# KiCad board PDNode_Baseboard.kicad_pcb (continued)
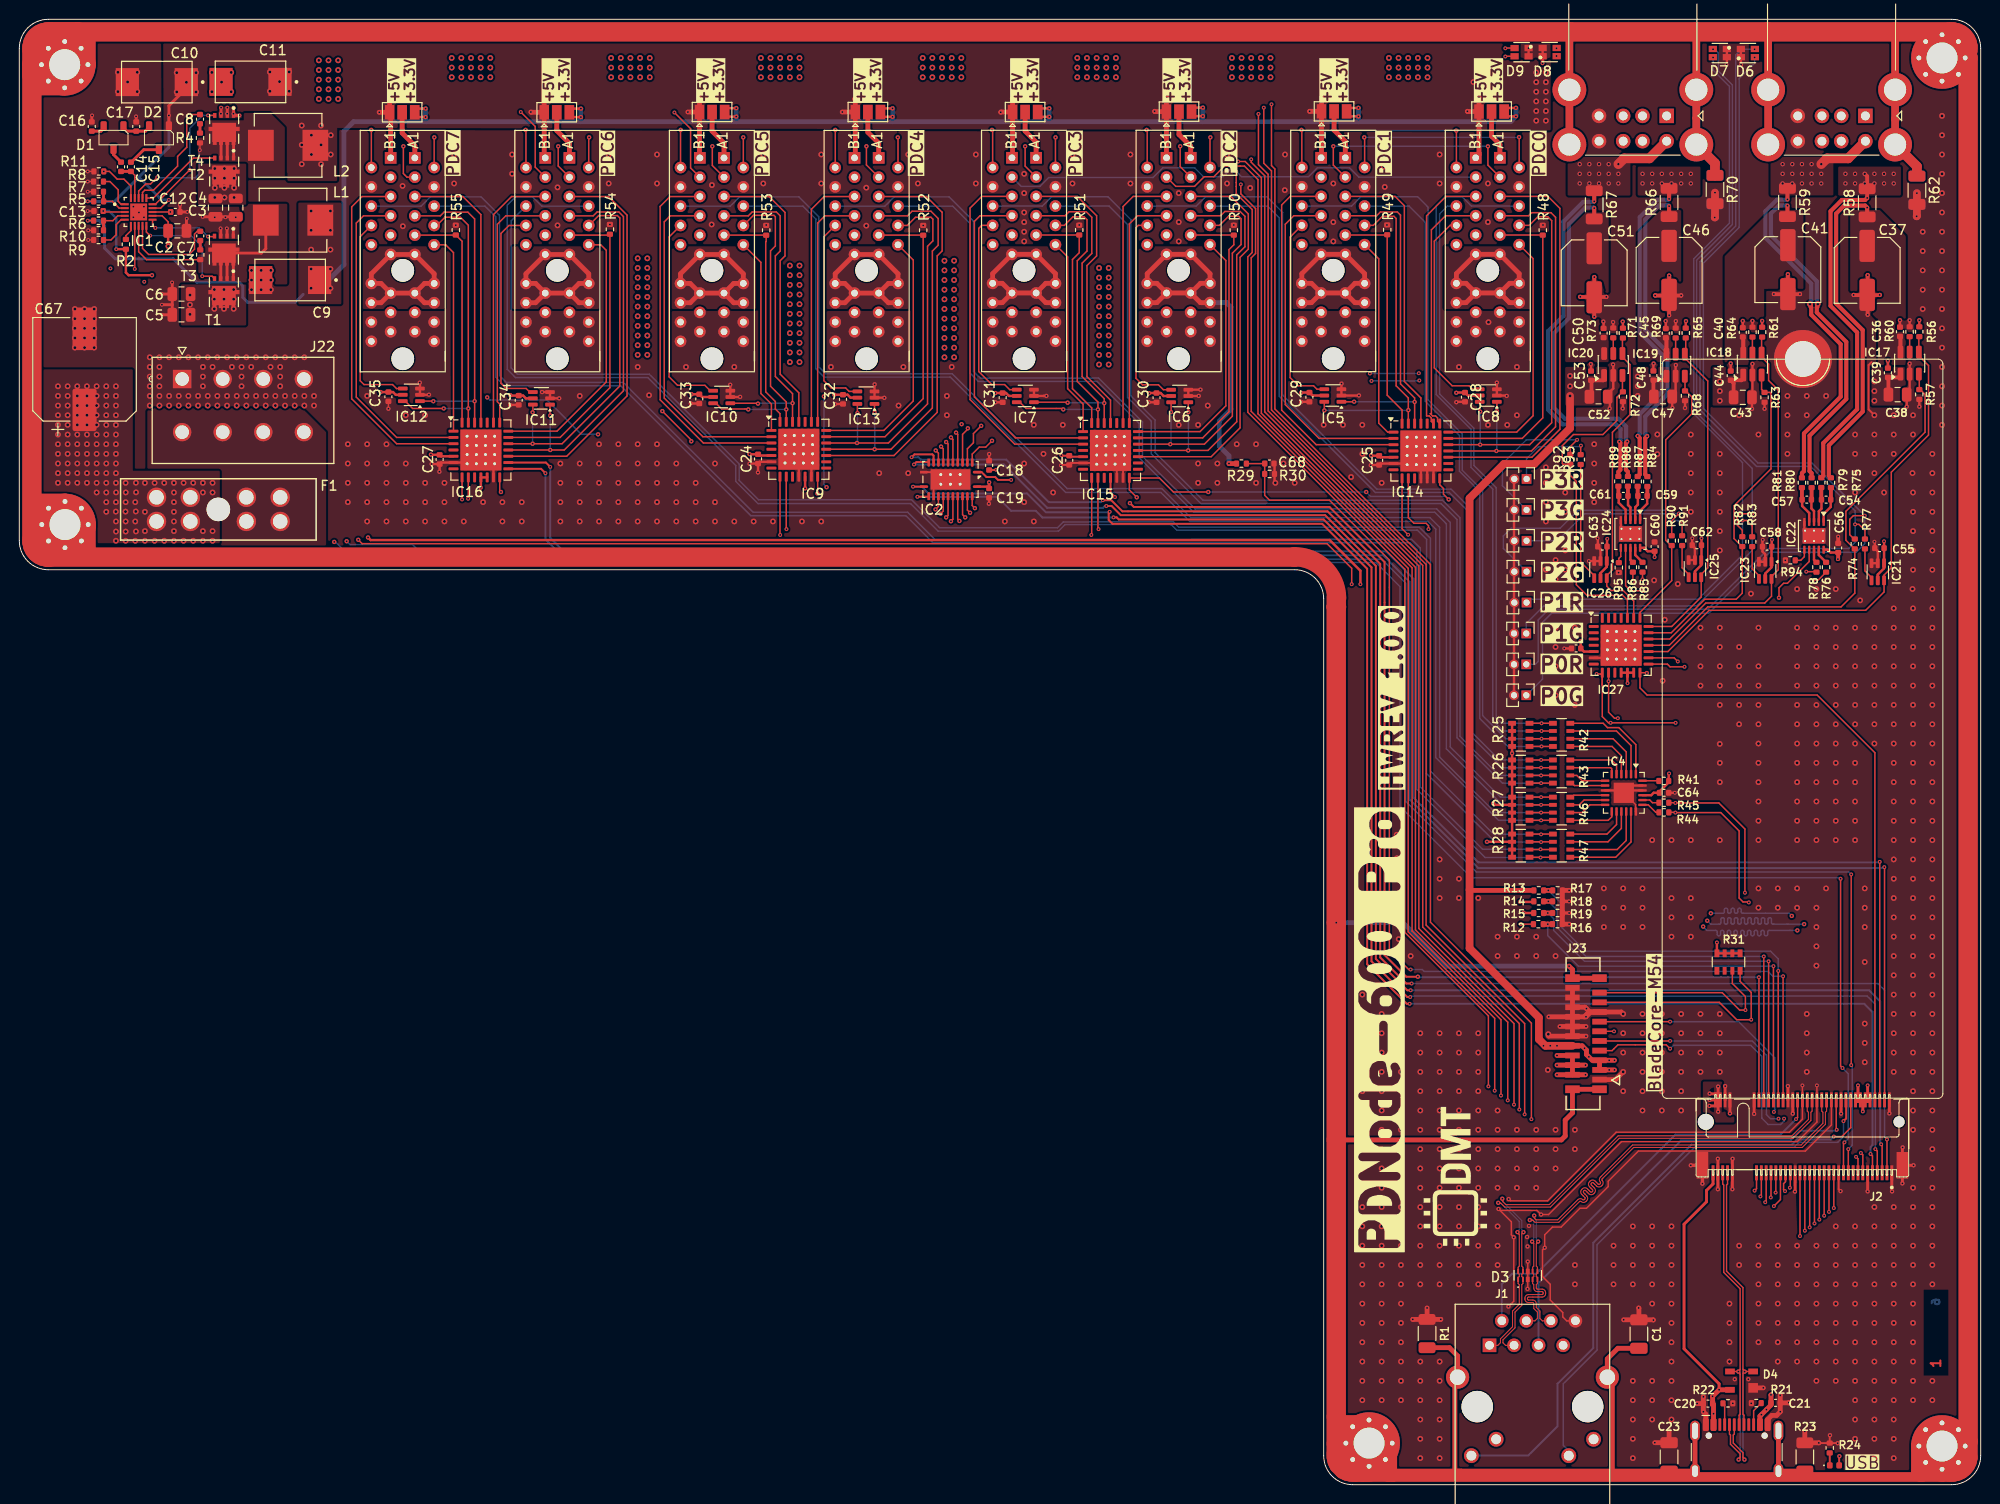
[diagram p0: board, top side]
## Routing (per net, layer and track width the routed paths; a pad name or vN(x,y) marks a point on that pad's centre or on a via; arc(x,y) is an arc through that point) (continued)
  F.Cu (SIG) w0.5: J23.10 v3(162.15,46.45) ; J23.10 158.3,46.45 158.25,46.5 v2(158.25,46.65) ; J23.10 J23.20 ; v1(147.12,17.12) 147.11,17.11 R1.1 ; v1(183.15,8.5) 183.12,8.47 C21.2 ; v3(158.3,48.45) J23.14 161.95,48.45 ; v2(166,42.75) 165.2,41.95 J23.1 ; v1(167.6,18.3) 167.62,18.28 C1.1 ; v1(144.23,17.12) 144.24,17.11 R1.1 ; C1.1 169.1,17.07 v1(169.12,17.05) ; C1.1 v1(166.05,17.07) ; v1(169.27,4.35) C23.2 v1(170.75,5.6) ; J23.15 165.8,48.95 v2(166,48.75) ; J23.15 162.65,48.95 ; J23.15 162.45,48.95 161.95,48.45 ; v3(160.4,61.55) 160.39,61.54 R17.2 159.7,61.53 R16.2 v3(160.4,58.05) ; 162.65,48.95 162.55,48.95 v3(162.2,49.3) 162.05,49.45 J23.16 ; 162.65,48.95 v3(162.15,48.45) 161.95,48.45 ; 174.3,8.4 v1(173.65,8.4) ; 174.3,8.4 174.3,9.09 v1(174.3,9.1) ; 174.3,8.4 v1(174.3,7.56) 174.55,7.3 J3.A1 ; R51.2 v1(109.7,130.45) ; J3.A12 180.95,6.75 181.38,7.18 181.88,7.18 v1(182.25,7.56) C21.2 ; D4.1 v1(180.5,10.03) ; R1.1 v1(145.7,18.3) ; v3(162.15,47.45) J23.12 v3(159.45,47.45) ; C21.2 182.25,9.25 v1(182.25,9.25) ; v1(184.8,5.53) R23.2 186.24,4.34 v1(186.25,4.32) ; R50.2 v1(125.7,130.45)
  F.Cu (SIG) w0.8: v1(196.38,131.35) 196.4,131.38 R62.2 v1(196.4,133.75) ; v1(175.5,133.8) R70.2 175.5,131.25 v1(175.48,131.22)
  B.Cu (SIG) w0.8: v1(175.48,131.22) 175.5,131.25 C49.2 v1(175.5,133.8) ; v1(196.4,133.75) C42.2 196.4,131.38 v1(196.38,131.35)
  vias: v1(45.18,130.44) v1(77.3,130.45) v1(93.55,130.4) v1(141.55,130.45) v1(156.05,25.65) v1(156.1,24.68) v1(156.25,26.8) v1(157.7,130.45) v1(177.35,8.43) v1(177.55,10.93) v1(178.95,10.93) v2(5.75,121.75) v2(5.75,120.75) v2(5.75,119.75) v2(5.75,118.75) v2(5.75,117.75) v2(6.75,121.75) v2(6.75,120.75) v2(6.75,119.75) v2(6.75,118.75) v2(6.75,117.75) v2(7.75,121.75) v2(7.75,120.75) v2(7.75,119.75) v2(7.75,118.75) v2(7.75,117.75) v2(10.21,146.26) v2(10.21,144.26) v2(11.21,145.26) v2(12.21,146.26) v2(12.21,144.26) v2(13.5,116.75) v2(13.5,115.75) v2(13.5,114.75) v2(13.5,113.75) v2(13.5,112.75) v2(13.5,111.75) v2(14.5,116.75) v2(14.5,115.75) v2(14.5,114.75) v2(14.5,113.75) v2(14.5,112.75) v2(14.5,111.75) v2(15.5,116.75) v2(15.5,112.75) v2(15.5,111.75) v2(16.5,116.75) v2(16.5,112.75) v2(16.5,111.75) v2(17.5,116.75) v2(17.5,112.75) v2(17.5,111.75) v2(18.5,116.75) v2(18.5,112.75) v2(18.5,111.75) v2(19,115.75) v2(19,114.75) v2(19,113.75) v2(19.5,116.75) v2(19.5,112.75) v2(19.5,111.75) v2(19.93,146.25) v2(19.93,144.25) v2(20,115.75) v2(20.5,116.75) v2(20.5,112.75) v2(20.5,111.75) v2(20.93,145.25) v2(21.5,116.75) v2(21.5,112.75) v2(21.5,111.75) v2(21.93,146.25) v2(21.93,144.25) v2(22,115.75) v2(22.5,116.75) v2(22.5,112.75) v2(22.5,111.75) v2(23,115.75) v2(23,114.75) v2(23,113.75) v2(23.5,116.75) v2(23.5,112.75) v2(23.5,111.75) v2(24.03,125.75) v2(24.03,124.75) v2(24.03,123.75) v2(24,115.75) v2(24.5,116.75) v2(24.5,112.75) v2(24.5,111.75) v2(25.03,125.75) v2(25.03,124.75) v2(25.03,123.75) v2(25.5,116.75) v2(25.5,112.75) v2(25.5,111.75) v2(26.03,125.75) v2(26.03,124.75) v2(26.03,123.75) v2(26,115.75) v2(26.5,116.75) v2(26.5,112.75) v2(26.5,111.75) v2(27,115.75) v2(27,114.75) v2(27,113.75) v2(27.5,116.75) v2(27.5,112.75) v2(27.5,111.75) v2(28.5,116.75) v2(28.5,112.75) v2(28.5,111.75) v2(29.5,116.75) v2(29.5,112.75) v2(29.5,111.75) v2(30.5,112.75) v2(30.5,111.75) v2(34,107.75) v2(34,105.75) v2(34,103.75) v2(34,101.75) v2(36,112.75) v2(36,107.75) v2(36,105.75) v2(36,103.75) v2(36,101.75) v2(36,99.75) v2(38,107.75) v2(38,105.75) v2(38,103.75) v2(38,101.75) v2(38,99.75) v2(39.66,134.5) v2(39.69,130.32) v2(40,110.75) v2(40,105.75) v2(40,103.75) v2(40,101.75) v2(40,99.75) v2(42,110.75) v2(42,103.75) v2(42,101.75) v2(42,99.75) v2(44,103.75) v2(44,101.75) v2(44,99.75) v2(45,137.75) v2(45,134.75) v2(46,99.75) v2(48,101.75) v2(50,101.75) v2(50,99.75) v2(51,137.75) v2(51,135.75) v2(52,101.75) v2(52,99.75) v2(55.7,134.35) v2(55.7,130.41) v2(56,105.75) v2(56,103.75) v2(56,101.75) v2(56,99.75) v2(58,112.75) v2(58,105.75) v2(58,103.75) v2(58,101.75) v2(58,99.75) v2(60,107.75) v2(60,105.75) v2(60,103.75) v2(60,101.75) v2(60,99.75) v2(61,137.75) v2(61,134.75) v2(62,107.75) v2(62,105.75) v2(62,103.75) v2(62,101.75) v2(62,99.75) v2(64,115.75) v2(64,107.75) v2(64,105.75) v2(64,103.75) v2(64,101.75) v2(64,99.75) v2(65.18,112.82) v2(66,137.75) v2(66,134.75) v2(66,107.75) v2(66,105.75) v2(66,103.75) v2(66,101.75) v2(66,99.75) v2(68,105.75) v2(68,103.75) v2(68,101.75) v2(68,99.75) v2(69,115.75) v2(70,103.75) v2(70,101.75) v2(70,99.75) v2(71.68,134.59) v2(71.65,130.5) v2(72,105.75) v2(72,101.75) v2(72,99.75) v2(74,115.75) v2(74,99.75) v2(76,99.75) v2(77,137.75) v2(77,134.75) v2(78,99.75) v2(81,99.75) v2(83,137.75) v2(83,134.75) v2(83,99.75) v2(84,115.75) v2(87.66,134.32) v2(87.66,130.38) v2(89,104.75) v2(91,111.75) v2(91.5,115.75) v2(92,137.75) v2(92,104.75) v2(93,134.75) v2(96,112.75) v2(96,110.75) v2(96.5,115.75) v2(99,137.75) v2(99,134.75) v2(102,99.75) v2(104,135.75) v2(104,133.75) v2(104,131.75) v2(104,130.75) v2(104,129.75) v2(104,128.75) v2(104,105.75) v2(104,101.75) v2(105,109.75) v2(105,99.75) v2(106,106.75) v2(107,102.75) v2(108,109.75) v2(109,137.75) v2(109,134.75) v2(115,137.75) v2(115,134.75) v2(120,133.75) v2(120,130.75) v2(120,128.75) v2(120,109.75) v2(122,109.75) v2(122,105.75) v2(122,103.75) v2(123,111.75) v2(124,105.75) v2(124,103.75) v2(125,137.75) v2(125,134.75) v2(126,107.75) v2(127.4,134.29) v2(128,107.75) v2(128,103.75) v2(130.84,105.76) v2(130.97,134.06) v2(131,137.75) v2(132,103.75) v2(135,109.75) v2(136,134.75) v2(136,130.75) v2(136,128.75) v2(137,109.75) v2(137.84,104.35) v2(139,109.75) v2(139,106.75) v2(139,50.75) v2(139,48.75) v2(139,46.75) v2(139,44.75) v2(139,42.75) v2(139,40.75) v2(139,38.75) v2(139,36.75) v2(139,34.75) v2(139,32.75) v2(139,30.75) v2(139,28.75) v2(139,26.75) v2(139,24.75) v2(139,22.75) v2(139,20.75) v2(139,18.75) v2(139,16.75) v2(139,14.75) v2(139,12.75) v2(139,10.75) v2(139,8.75) v2(141,103.75) v2(141,48.75) v2(141,46.75) v2(141,44.75) v2(141,42.75) v2(141,40.75) v2(141,38.75) v2(141,36.75) v2(141,34.75) v2(141,32.75) v2(141,30.75) v2(141,28.75) v2(141,26.75) v2(141,24.75) v2(141,22.75) v2(141,20.75) v2(141,18.75) v2(141,16.75) v2(141,14.75) v2(141,12.75) v2(141,10.75) v2(141,8.75) v2(141.21,136.5) v2(141.32,134.39) v2(142.56,67.31) v2(142.59,64.88) v2(142.59,62.74) v2(142.77,56.49) v2(143,46.75) v2(143,44.75) v2(143,42.75) v2(143,40.75) v2(143,38.75) v2(143,36.75) v2(143,34.75) v2(143,32.75) v2(143,30.75) v2(143,28.75) v2(143,26.75) v2(143,24.75) v2(143,22.75) v2(143,20.75) v2(143,18.75) v2(143,16.75) v2(143,14.75) v2(143,12.75) v2(143,10.75) v2(143,8.75) v2(144,54.75) v2(145,46.75) v2(145,44.75) v2(145,42.75) v2(145,40.75) v2(145,38.75) v2(145,36.75) v2(145,34.75) v2(145,32.75) v2(145,30.75) v2(145,28.75) v2(145,26.75) v2(145,24.75) v2(145,22.75) v2(145,20.75) v2(145,12.75) v2(145,10.75) v2(145,8.75) v2(145,6.75) v2(145,4.75) v2(145,2.75) v2(147,137.75) v2(147,134.75) v2(147,64.75) v2(147,62.75) v2(147,60.75) v2(147,46.75) v2(147,44.75) v2(147,42.75) v2(147,40.75) v2(147,38.75) v2(147,36.75) v2(147,34.75) v2(147,32.75) v2(147,30.75) v2(147,28.75) v2(147,26.75) v2(147,24.75) v2(147,22.75) v2(147,20.75) v2(147,12.75) v2(147,10.75) v2(147,8.75) v2(147,6.75) v2(147,4.75) v2(147,2.75) v2(149,115.75) v2(149,62.75) v2(149,60.75) v2(149,46.75) v2(149,44.75) v2(149,42.75) v2(149,40.75) v2(149,38.75) v2(149,36.75) v2(149,34.75) v2(149,32.75) v2(149,30.75) v2(149,28.75) v2(149,26.75) v2(149,24.75) v2(149,22.75) v2(149,20.75) v2(151,60.75) v2(151,46.75) v2(151,44.75) v2(151,42.75) v2(151,40.75) v2(151,38.75) v2(151,36.75) v2(151,34.75) v2(151,32.75) v2(151,30.75) v2(151,28.75) v2(151,26.75) v2(151,24.75) v2(151,22.75) v2(151,20.75) v2(152,134.75) v2(152,130.75) v2(152.06,120.38) v2(152,109.75) v2(153,56.75) v2(153,54.75) v2(153,38.75) v2(153,36.75) v2(153,34.75) v2(153,32.75) v2(153,30.75) v2(153,26.75) v2(153,24.75) v2(153,22.75) v2(154,109.75) v2(155,115.75) v2(155,110.75) v2(155,56.75) v2(155,54.75) v2(155,36.75) v2(155,34.75) v2(155,32.75) v2(155,30.75) v2(157,56.75) v2(157,54.75) v2(157,36.75) v2(157,34.75) v2(157,32.75) v2(157,30.75) v2(158,105.35) v2(158,103.75) v2(158,101.75) v2(158,99.75) v2(158,94.75) v2(158.2,42.95) v2(159,95.75) v2(159,93.75) v2(159,88.75) v2(159,86.75) v2(159,84.75) v2(159,81.75) v2(159,54.75) v2(159,36.75) v2(159,34.75) v2(159,32.75) v2(160,102.75) v2(160,100.75) v2(160,96.75) v2(160,94.75) v2(161,88.75) v2(161,80.75) v2(161,36.75) v2(161,34.75) v2(161,22.75) v2(161,20.75) v2(163,107.75) v2(163,105.75) v2(163,103.75) v2(163,101.75) v2(164,61.75) v2(164,59.75) v2(164,57.75) v2(165,24.75) v2(165,22.75) v2(165,20.75) v2(166,61.75) v2(166,59.75) v2(166,57.75) v2(166,46.75) v2(166,44.75) v2(166,40.75) v2(167,26.75) v2(167,24.75) v2(167,22.75) v2(167,20.75) v2(167,10.75) v2(167,8.75) v2(167,6.75) v2(167,4.75) v2(167,2.75) v2(168,61.75) v2(168,59.75) v2(168,57.75) v2(168,48.75) v2(168,46.75) v2(168,44.75) v2(168,42.75) v2(168,40.75) v2(168,38.75) v2(169,66.75) v2(169,26.75) v2(169,24.75) v2(169,22.75) v2(169,20.75) v2(169,18.75) v2(169,10.75) v2(169,8.75) v2(169,6.75) v2(169.2,93.65) v2(169.54,108.76) v2(169.54,106.72) v2(170.08,83.26) v2(170,48.75) v2(170,46.75) v2(170,44.75) v2(170,42.75) v2(170,40.75) v2(170,38.75) v2(170.3,89.58) v2(171,66.75) v2(171,60.75) v2(171,58.75) v2(171,56.75) v2(171,26.75) v2(171,24.75) v2(171,22.75) v2(171,20.75) v2(171,18.75) v2(171,16.75) v2(171,14.75) v2(171,12.75) v2(171,10.75) v2(171,8.75) v2(171,6.75) v2(171.65,93.28) v2(172,48.75) v2(172,46.75) v2(172,44.75) v2(172,42.75) v2(172,40.75) v2(172,38.75) v2(173,108.75) v2(173,106.75) v2(173,104.75) v2(173,102.75) v2(173,100.75) v2(173,66.75) v2(173,60.75) v2(173,58.75) v2(173,56.75) v2(174,88.75) v2(174,86.75) v2(174,84.75) v2(174,82.75) v2(174,48.75) v2(174,46.75) v2(174,44.75) v2(174,42.75) v2(176,106.75) v2(176,104.75) v2(176,102.75) v2(176,100.75) v2(176,98.75) v2(176,96.75) v2(176,88.75) v2(176,86.75) v2(176,84.75) v2(176,82.75) v2(176,80.75) v2(176,76.71) v2(176,74.75) v2(176,72.75) v2(176,66.75) v2(176,48.75) v2(176,46.75) v2(176,44.75) v2(176,42.75) v2(177,18.75) v2(177,16.75) v2(177,14.75) v2(177,12.75) v2(178,110.75) v2(178,86.75) v2(178,84.75) v2(178,82.75) v2(178,80.75) v2(178,78.75) v2(178,24.75) v2(178,22.75) v2(179.23,92.28) v2(180,108.75) v2(180,88.75) v2(180,84.75) v2(180,82.75) v2(180,80.75) v2(180,78.75) v2(180,76.75) v2(180,74.75) v2(180,72.75) v2(180,70.75) v2(180,68.75) v2(180,66.75) v2(180,61.75) v2(180,59.75) v2(180,24.75) v2(180,22.75) v2(180,20.75) v2(180,18.75) v2(180,16.75) v2(180,14.75) v2(182,61.75) v2(182,59.75) v2(182,24.75) v2(182,22.75) v2(182,20.75) v2(182,18.75) v2(182,16.75) v2(182,14.75) v2(182,12.75) v2(183,112.75) v2(183,110.75) v2(183,108.75) v2(183,106.75) v2(184,92.75) v2(184,88.75) v2(184,86.75) v2(184,84.75) v2(184,82.75) v2(184,80.75) v2(184,78.75) v2(184,76.75) v2(184,74.75) v2(184,72.75) v2(184,70.75) v2(184,68.75) v2(184,66.75) v2(184,61.75) v2(184,59.75) v2(184,24.75) v2(184,22.75) v2(184,20.75) v2(184,18.75) v2(184,16.75) v2(184,14.75) v2(184,12.75) v2(185,112.75) v2(185,110.75) v2(185,48.75) v2(185,46.75) v2(185,44.75) v2(185,42.75) v2(186,92.75) v2(186,88.75) v2(186,86.75) v2(186,84.75) v2(186,82.75) v2(186,80.75) v2(186,78.75) v2(186,76.75) v2(186,74.75) v2(186,72.75) v2(186,70.75) v2(186,68.75) v2(186,66.75) v2(186,59.75) v2(186,57.75) v2(186,55.75) v2(186,53.75) v2(186,24.75) v2(186,22.75) v2(186,20.75) v2(186,18.75) v2(186,16.75) v2(186,14.75) v2(186,12.75) v2(186,10.75) v2(187,112.75) v2(187,61.75) v2(188,92.75) v2(188,88.75) v2(188,86.75) v2(188,84.75) v2(188,82.75) v2(188,80.75) v2(188,78.75) v2(188,76.75) v2(188,74.75) v2(188,72.75) v2(188,70.75) v2(188,68.75) v2(188,66.75) v2(188,26.75) v2(188,24.75) v2(188,22.75) v2(188,20.75) v2(188,18.75) v2(188,16.75) v2(188,14.75) v2(188,12.75) v2(188,10.75) v2(190,108.75) v2(190,106.75) v2(190,104.75) v2(190,102.75) v2(190,88.75) v2(190,86.75) v2(190,84.75) v2(190,82.75) v2(190,80.75) v2(190,78.75) v2(190,76.75) v2(190,74.75) v2(190,72.75) v2(190,70.75) v2(190,68.75) v2(190,66.75) v2(190,26.75) v2(190,24.75) v2(190,22.75) v2(190,20.75) v2(190,18.75) v2(190,16.75) v2(190,14.75) v2(190,12.75) v2(190,10.75) v2(190,8.75) v2(190,6.75) v2(190,4.75) v2(190.52,91.58) v2(191,61.75) v2(191,59.75) v2(191,57.75) v2(191,54.13) v2(191,47.75) v2(191,45.75) v2(191,43.75) v2(192,108.75) v2(192,106.75) v2(192,104.75) v2(192,88.75) v2(192,86.75) v2(192,84.75) v2(192,82.75) v2(192,80.75) v2(192,78.75) v2(192,76.75) v2(192,28.75) v2(192,26.75) v2(192,24.75) v2(192,22.75) v2(192,20.75) v2(192,18.75) v2(192,16.75) v2(192,14.75) v2(192,12.75) v2(192,10.75) v2(192,8.75) v2(192,6.75) v2(192,4.75) v2(192,2.75) v2(193,102.75) v2(194,110.75) v2(194,108.75) v2(194,106.75) v2(194,90.75) v2(194,88.75) v2(194,86.75) v2(194,84.75) v2(194,82.75) v2(194,80.75) v2(194,78.75) v2(194,76.75) v2(194,74.75) v2(194,72.75) v2(194,70.75) v2(194,68.75) v2(194,66.75) v2(194,64.75) v2(194,62.75) v2(194,60.75) v2(194,58.75) v2(194,56.75) v2(194,54.75) v2(194,52.75) v2(194,50.75) v2(194,48.75) v2(194,46.75) v2(194,44.75) v2(194,42.75) v2(194,28.75) v2(194,26.75) v2(194,24.75) v2(194,22.75) v2(194,20.75) v2(194,18.75) v2(194,16.75) v2(194,14.75) v2(194,12.75) v2(194,10.75) v2(194,8.75) v2(194,6.75) v2(194,4.75) v2(194,2.75) v2(195.94,104.76) v2(195.94,92.76) v2(196,110.75) v2(196,108.75) v2(196,102.75) v2(196,100.75) v2(196,98.75) v2(196,96.75) v2(196,94.75) v2(196,90.75) v2(196,88.75) v2(196,86.75) v2(196,84.75) v2(196,82.75) v2(196,80.75) v2(196,78.75) v2(196,76.75) v2(196,74.75) v2(196,72.75) v2(196,70.75) v2(196,68.75) v2(196,66.75) v2(196,64.75) v2(196,62.75) v2(196,60.75) v2(196,58.75) v2(196,56.75) v2(196,54.75) v2(196,52.75) v2(196,50.75) v2(196,48.75) v2(196,46.75) v2(196,44.75) v2(196,42.75) v2(196,40.75) v2(196,38.75) v2(196,36.75) v2(196,30.75) v2(196,28.75) v2(196,26.75) v2(196,24.75) v2(196,22.75) v2(196,20.75) v2(196,18.75) v2(196,16.75) v2(196,14.75) v2(196,12.75) v2(196,10.75) v2(196,8.75) v2(197,129.75) v2(197,127.75) v2(197,125.75) v2(197,123.75) v2(197,121.75) v2(198,106.75) v2(198,104.75) v2(198,102.75) v2(198,100.75) v2(198,98.75) v2(198,96.75) v2(198,94.75) v2(198,92.75) v2(198,90.75) v2(198,88.75) v2(198,86.75) v2(198,84.75) v2(198,82.75) v2(198,80.75) v2(198,78.75) v2(198,76.75) v2(198,74.75) v2(198,72.75) v2(198,70.75) v2(198,68.75) v2(198,66.75) v2(198,64.75) v2(198,62.75) v2(198,60.75) v2(198,58.75) v2(198,56.75) v2(198,54.75) v2(198,52.75) v2(198,50.75) v2(198,48.75) v2(198,46.75) v2(198,44.75) v2(198,42.75) v2(198,40.75) v2(198,38.75) v2(198,36.75) v2(198,34.75) v2(198,32.75) v2(198,30.75) v2(198,28.75) v2(198,26.75) v2(198,24.75) v2(198,22.75) v2(198,20.75) v2(198,10.75) v2(198,8.75) v2(199,141.75) v2(199,139.75) v2(199,137.75) v2(199,135.75) v2(199,133.75) v2(199,131.75) v2(199,129.75) v2(199,127.75) v2(199,125.75) v2(199,123.75) v2(199,121.75) v2(199,119.75) v2(199,117.75) v2(199,115.75) v2(199,113.75) v2(199,111.75) v2(199,109.75) v3(11.8,132.35) v3(11.8,131.25) v3(12.38,131.75) v3(12.9,132.35) v3(12.9,131.25) v3(20.23,131.25) v3(20.87,141.97) v3(21.33,131.25) v3(21.52,141.97) v3(22.17,141.97)
VBUS: length 40.3
  F.Cu (SIG) w0.2: D5.2 188.35,2.93 v1(188.38,2.95)
  F.Cu (SIG) w0.3: J2.75 175.3,31.15 174.62,30.47 174.62,29.3 172.3,26.97 172.3,14.07 175.93,10.45 v1(175.93,9.82) ; 175.82,39.22 v1(174.93,39.22) ; 175.82,39.22 175.82,39.85 ; 175.82,39.22 v1(175.82,38.62) ; 175.82,40.47 174.98,40.47 v1(174.95,40.5) ; 175.82,40.47 175.82,39.85 ; 175.82,40.47 v1(175.82,41.22) ; 175.82,39.85 J2.72 ; 175.82,39.85 J2.74 v1(174.95,39.85)
  F.Cu (SIG) w0.5: J3.A4 v1(175.35,7.35) 175.35,8.31 C20.1 v1(175.25,9.16) v1(175.93,9.82) D4.4 ; J3.A9 180.15,7.1 v1(180.3,7.25) v1(180.82,7.78) 181.3,8.25 181.3,9.29 v1(181.3,9.3)
VBUS_VMON_PORT0: length 73.2
  F.Cu (SIG) w0.149: IC2.23 98.62,101.4 v1(98.9,101.12)
  In2.Cu (SIG) w0.149: J4.B10 147.5,127.17 147.5,115.95 145.9,114.35 v3(144.9,114.35) ; v3(139.95,114.3) 139.95,114.4 139.75,114.6 130.07,114.6 129.4,113.92 116.05,113.92 114.7,112.58 108.07,112.58 106.32,110.83 101.98,110.83 101.75,110.6 101.75,103.97 v1(98.9,101.12)
  B.Cu (SIG) w0.149: v3(144.9,114.35) 144.85,114.3 v3(139.95,114.3)
VBUS_VMON_PORT1: length 60.4
  F.Cu (SIG) w0.149: v1(98.4,100.65) 98.12,100.92 IC2.22
  In2.Cu (SIG) w0.149: J5.B10 130.79,128.41 130.1,127.72 130.1,116.42 128.32,114.65 115.27,114.65 114.4,113.78 101.02,113.78 100.12,112.88 100.12,108.62 99.3,107.8 99.3,102.47 98.4,101.58 v1(98.4,100.65)
VBUS_VMON_PORT2: length 46.9
  F.Cu (SIG) w0.149: v1(97.9,100.17) 97.62,100.45 IC2.21
  In2.Cu (SIG) w0.149: v1(97.9,100.17) 97.55,100.53 97.55,101.28 98.95,102.67 98.95,113.17 100.38,114.6 113.43,114.6 114.93,116.1 114.93,127.72 115.61,128.41 J6.B10
VBUS_VMON_PORT3: length 33.7
  F.Cu (SIG) w0.149: IC2.20 97.12,99.97 v1(97.3,99.8)
  In2.Cu (SIG) w0.149: v1(97.3,99.8) 97.07,100.03 97.07,101.75 98.62,103.3 98.62,107.8 97.52,108.9 v1(97.52,109.83) 97.52,110.07 97.95,110.49 97.95,125.62 J7.B10
VBUS_VMON_PORT4: length 43.7
  F.Cu (SIG) w0.149: IC2.19 96.62,99.97 v1(96.43,99.78)
  In2.Cu (SIG) w0.149: v1(83.27,112.7) 83.15,112.83 83.15,113.2 82.05,114.3 82.05,126 J8.B10 ; v1(83.55,103.3) 87.38,103.3 91,99.67 96.32,99.67 v1(96.43,99.78)
  B.Cu (SIG) w0.149: v1(83.27,112.7) 83.27,103.58 v1(83.55,103.3)
VBUS_VMON_PORT5: length 55.7
  F.Cu (SIG) w0.149: v1(66.55,111.17) 69.55,108.17 v1(69.55,108.05) ; v1(95.93,100.17) 96.12,100.38 IC2.18
  In2.Cu (SIG) w0.149: v1(69.55,108.05) 75.82,108.05 77.18,106.7 77.18,104.95 78.18,103.95 87.48,103.95 91.4,100.03 95.77,100.03 v1(95.93,100.17) ; J9.B10 66.1,126.06 66.1,111.62 v1(66.55,111.17)
VBUS_VMON_PORT6: length 72.4
  F.Cu (SIG) w0.149: v1(95.35,100.55) 95.62,100.83 IC2.17
  In2.Cu (SIG) w0.149: v1(95.35,100.55) 95.3,100.5 91.68,100.5 87.75,104.42 78.3,104.42 77.68,105.05 77.68,107.03 75.93,108.78 v1(59.9,108.78) ; J10.B10 49.47,125.44 49.47,113.65 v1(48.43,112.6)
  B.Cu (SIG) w0.149: v1(48.43,112.6) 48.7,112.32 54.63,112.32 58.18,108.78 v1(59.9,108.78)
VBUS_VMON_PORT7: length 88.1
  F.Cu (SIG) w0.149: IC2.16 95.12,101.3 v1(94.82,101)
  In2.Cu (SIG) w0.149: J11.B10 33.57,125.54 33.57,110.97 35.2,109.35 88.25,109.35 90.6,107 90.6,102.42 92.02,101 v1(94.82,101)
/Project Architecture/BladeCore-M54/ACTLED: length 65.5
  F.Cu (SIG) w0.15: v3(187.8,36.05) 188.62,36.05 189.55,36.97 J2.18
  B.Cu (SIG) w0.2: v3(187.8,36.05) 187.5,35.75 184,35.75 183.47,35.22 173.07,35.22 162.9,25.05 162.9,14.15 159.2,10.45 159.2,6.05 156.18,3.03 150.13,3.03 149.99,3.18
/Project Architecture/BladeCore-M54/ADC_24V: length 116
  F.Cu (SIG) w0.149: R29.2 128.89,105.74 C68.1 128.89,105.74 R30.1 128.89,102.46 129.4,101.95 135.6,101.95 141.8,95.75 141.8,55.35 143.8,53.35 v3(144,53.35)
  F.Cu (SIG) w0.15: v3(182.55,52.65) J2.46
  B.Cu (SIG) w0.149: v3(144,53.35) 145.2,53.35 145.4,53.15 181,53.15 181.5,52.65 v3(182.55,52.65)
/Project Architecture/BladeCore-M54/LINKLED: length 57.6
  F.Cu (SIG) w0.2: v3(188.8,37.65) 189.08,37.93 189.08,39.82 J2.20
  B.Cu (SIG) w0.15: v3(188.8,37.65) 188.8,36.05 188.2,35.45 184.2,35.45 183.7,34.95 173.4,34.95 163.3,24.85 163.3,13.95 159.8,10.45 159.8,4.07 160.69,3.18
/Project Architecture/BladeCore-M54/RCT: length 47
  F.Cu (SIG) w0.15: v3(188.1,36.75) 188.05,36.8 J2.24
  B.Cu (SIG) w0.2: 157.24,14.43 157.24,20.89 172,35.65 183.3,35.65 184.3,36.65 188,36.65 v3(188.1,36.75)
/Project Architecture/BladeCore-M54/RD+: length 56.5
  F.Cu (SIG) w0.107: J2.28 187.05,38.69 186.93,38.57 186.93,37.32 184.53,34.92 167.08,34.92 163.82,31.66 arc(163.79,31.59) 163.82,31.52 163.83,31.51 arc(163.93,31.26) 163.83,31.01 163.75,30.93 arc(163.49,30.83) 163.24,30.93 162.9,31.27 arc(162.84,31.3) 162.77,31.27 162.69,31.19 arc(162.66,31.12) 162.69,31.05 163.02,30.71 arc(163.13,30.46) 163.02,30.21 162.94,30.13 arc(162.69,30.02) 162.44,30.13 162.1,30.47 arc(162.04,30.49) 161.97,30.47 161.89,30.39 arc(161.86,30.32) 161.89,30.25 162.22,29.91 arc(162.33,29.66) 162.22,29.41 162.14,29.33 arc(161.89,29.22) 161.64,29.33 161.63,29.34 arc(161.56,29.36) 161.49,29.34 159.33,27.17 156.87,27.17 156.66,27.38 156.59,27.38 156.54,27.44 156.37,27.44 v1(156.34,27.41) ; 155.97,16.97 156.87,16.97 157.12,17.22 157.12,17.87 156.75,18.25 156.75,18.77 arc(156.72,18.83) 156.65,18.86 156.19,18.86 arc(155.93,18.97) 155.83,19.22 155.83,19.33 arc(155.93,19.58) 156.19,19.69 157.61,19.69 arc(157.68,19.72) 157.71,19.79 157.71,19.9 arc(157.68,19.97) 157.61,20 157.1,20 arc(156.85,20.1) 156.75,20.35 156.75,20.71 156.62,20.83 D3.4 156.62,21.44 156.75,21.56 156.75,21.79 156.62,21.91 D3.4 156.62,22.52 156.75,22.64 156.75,25 v1(156.57,25.18)
  B.Cu (SIG) w0.107: v1(156.57,25.18) 156.7,25.3 156.7,25.37 156.75,25.42 156.75,27.3 156.66,27.38 156.59,27.38 156.54,27.44 156.37,27.44 v1(156.34,27.41)
/Project Architecture/BladeCore-M54/RD-: length 56
  F.Cu (SIG) w0.107: v1(156.79,27.86) 156.79,27.69 156.84,27.64 156.84,27.57 156.98,27.43 159.22,27.43 161.31,29.52 arc(161.56,29.62) 161.82,29.52 161.82,29.51 arc(161.89,29.48) 161.96,29.51 162.04,29.59 arc(162.07,29.66) 162.04,29.73 161.7,30.07 arc(161.6,30.32) 161.7,30.57 161.78,30.65 arc(162.04,30.75) 162.29,30.65 162.62,30.31 arc(162.69,30.28) 162.76,30.31 162.84,30.39 arc(162.87,30.46) 162.84,30.53 162.5,30.87 arc(162.4,31.12) 162.5,31.37 162.58,31.45 arc(162.84,31.55) 163.09,31.45 163.43,31.11 arc(163.49,31.08) 163.56,31.11 163.64,31.19 arc(163.67,31.26) 163.64,31.33 163.63,31.34 arc(163.53,31.59) 163.63,31.84 166.97,35.18 184.42,35.18 186.67,37.43 186.67,38.57 186.55,38.69 J2.30 ; v1(157.2,25.18) 157.18,25.18 157.05,25.05 157.05,24.98 157,24.93 157,22.64 157.12,22.52 D3.5 157.12,21.91 157,21.79 157,21.56 157.12,21.44 D3.5 157.12,20.83 157,20.71 157,20.35 arc(157.03,20.28) 157.1,20.25 157.61,20.25 arc(157.87,20.15) 157.97,19.9 157.97,19.79 arc(157.87,19.53) 157.61,19.43 156.19,19.43 arc(156.12,19.4) 156.09,19.33 156.09,19.22 arc(156.12,19.15) 156.19,19.12 156.65,19.12 arc(156.9,19.02) 157,18.77 157,18.35 157.38,17.98 157.38,17.22 157.63,16.97 158.51,16.97
  B.Cu (SIG) w0.107: v1(156.79,27.86) 156.79,27.62 157,27.4 157,25.42 157.05,25.37 157.05,25.3 157.17,25.18 v1(157.2,25.18)
/Project Architecture/BladeCore-M54/SPI_CS: length 38.4
  F.Cu (SIG) w0.149: v3(181.6,28.85) 182.27,29.52 182.27,32.27 J2.47 ; J23.11 v3(165.05,46.95)
  In2.Cu (SIG) w0.149: v3(181.6,28.85) 181.52,28.77 179.43,28.77 178.65,29.55 178.65,34.15 178.25,34.55 171.45,34.55 169.05,36.95 169.05,46.95 168.45,47.55 165.65,47.55 v3(165.05,46.95)
/Project Architecture/BladeCore-M54/TCT: length 43.4
  F.Cu (SIG) w0.15: J2.40 184.05,38.02 v3(183.89,37.86)
  B.Cu (SIG) w0.2: v3(183.89,37.86) 182.28,36.25 171.4,36.25 157,21.85 154.5,21.85 153.43,20.78 153.43,16.97
/Project Architecture/BladeCore-M54/TD+: length 56.4
  F.Cu (SIG) w0.107: v1(153.06,29.19) 153.24,29.19 153.29,29.13 153.36,29.13 153.75,28.75 158.46,28.75 165.59,35.87 183.58,35.87 185.43,37.72 185.43,38.57 185.55,38.69 J2.34 ; v1(155.06,26.16) 155.07,26.16 155.2,26.03 155.2,25.95 155.25,25.9 155.25,22.64 155.12,22.52 D3.1 155.12,21.91 155.25,21.79 155.25,21.56 155.12,21.44 D3.1 155.12,20.83 155.25,20.71 155.25,18.68 154.55,17.98 154.55,16.35 153.3,15.1 153.3,14.7 153.02,14.43 152.16,14.43
  B.Cu (SIG) w0.107: v1(153.06,29.19) 153.24,29.19 153.29,29.13 153.36,29.13 155.25,27.25 155.25,26.4 155.2,26.35 155.2,26.27 155.08,26.16 v1(155.06,26.16)
/Project Architecture/BladeCore-M54/TD-: length 56
  F.Cu (SIG) w0.107: J2.36 185.05,38.69 185.17,38.57 185.17,37.83 183.47,36.13 165.48,36.13 158.35,29 153.85,29 153.54,29.32 153.54,29.39 153.49,29.44 v1(153.49,29.61) ; 154.7,14.43 153.82,14.43 153.55,14.7 153.55,15 154.8,16.25 154.8,17.87 155.5,18.57 155.5,20.71 155.62,20.83 D3.2 155.62,21.44 155.5,21.56 155.5,21.79 155.62,21.91 D3.2 155.62,22.52 155.5,22.64 155.5,25.98 v1(155.68,26.15)
  B.Cu (SIG) w0.107: v1(153.49,29.61) 153.49,29.44 153.54,29.39 153.54,29.32 155.5,27.35 155.5,26.4 155.55,26.35 155.55,26.27 v1(155.68,26.15)
/Project Architecture/BladeCore-M54/USB_RP_D+: length 41.3
  F.Cu (SIG) w0.14: v1(178.57,11.71) 178.57,11.72 178.58,11.72 D4.2 ; v1(178.57,11.71) 178.56,11.71 178.4,11.54 178.4,7.3 178.5,7.2 J3.B6 ; v1(178.57,11.71) 178.54,11.71 178.44,11.8 178.44,11.9 178.4,11.95 178.4,20.41 176.7,22.11 176.7,31.03 176.8,31.14 J2.69 ; v1(178.55,2.6) 178.44,2.71 178.44,2.81 178.4,2.85 178.4,3.31 177.4,4.31 177.4,5.14 177.5,5.24 J3.A6
  B.Cu (SIG) w0.14: v1(178.57,11.71) 178.56,11.71 178.44,11.59 178.44,11.49 178.4,11.44 178.4,2.85 178.44,2.81 178.44,2.71 v1(178.55,2.6)
/Project Architecture/BladeCore-M54/USB_RP_D-: length 41.3
  F.Cu (SIG) w0.14: J3.A7 178,7.2 178.1,7.3 178.1,11.44 178.06,11.49 178.06,11.59 177.93,11.71 v1(177.92,11.71) ; v1(177.92,11.71) 177.96,11.71 178.06,11.8 178.06,11.9 178.1,11.95 178.1,20.29 176.4,21.99 176.4,31.03 176.3,31.14 J2.71 ; v1(177.92,11.71) 177.91,11.72 D4.3 ; v1(177.95,2.6) 178.06,2.71 178.06,2.81 178.1,2.85 178.1,3.19 177.1,4.19 177.1,5.14 177,5.24 J3.B7
  B.Cu (SIG) w0.14: v1(177.92,11.71) 177.93,11.71 178.06,11.59 178.06,11.49 178.1,11.44 178.1,2.85 178.06,2.81 178.06,2.71 v1(177.95,2.6)
